# Altium PCB PCB.PcbDoc (part 2 of 2)
Units mil, origin at the board's own origin, x right, y up, seen from the top; angles counter-clockwise.
Board outline 1968.5 x 2500 mil, 2 copper layers (Top Layer, Bottom Layer), stack 59.418 mil thick; 109 components, 50 nets, 304 pads, 56 vias.
Unrouted connection lines stored in the file: 3.
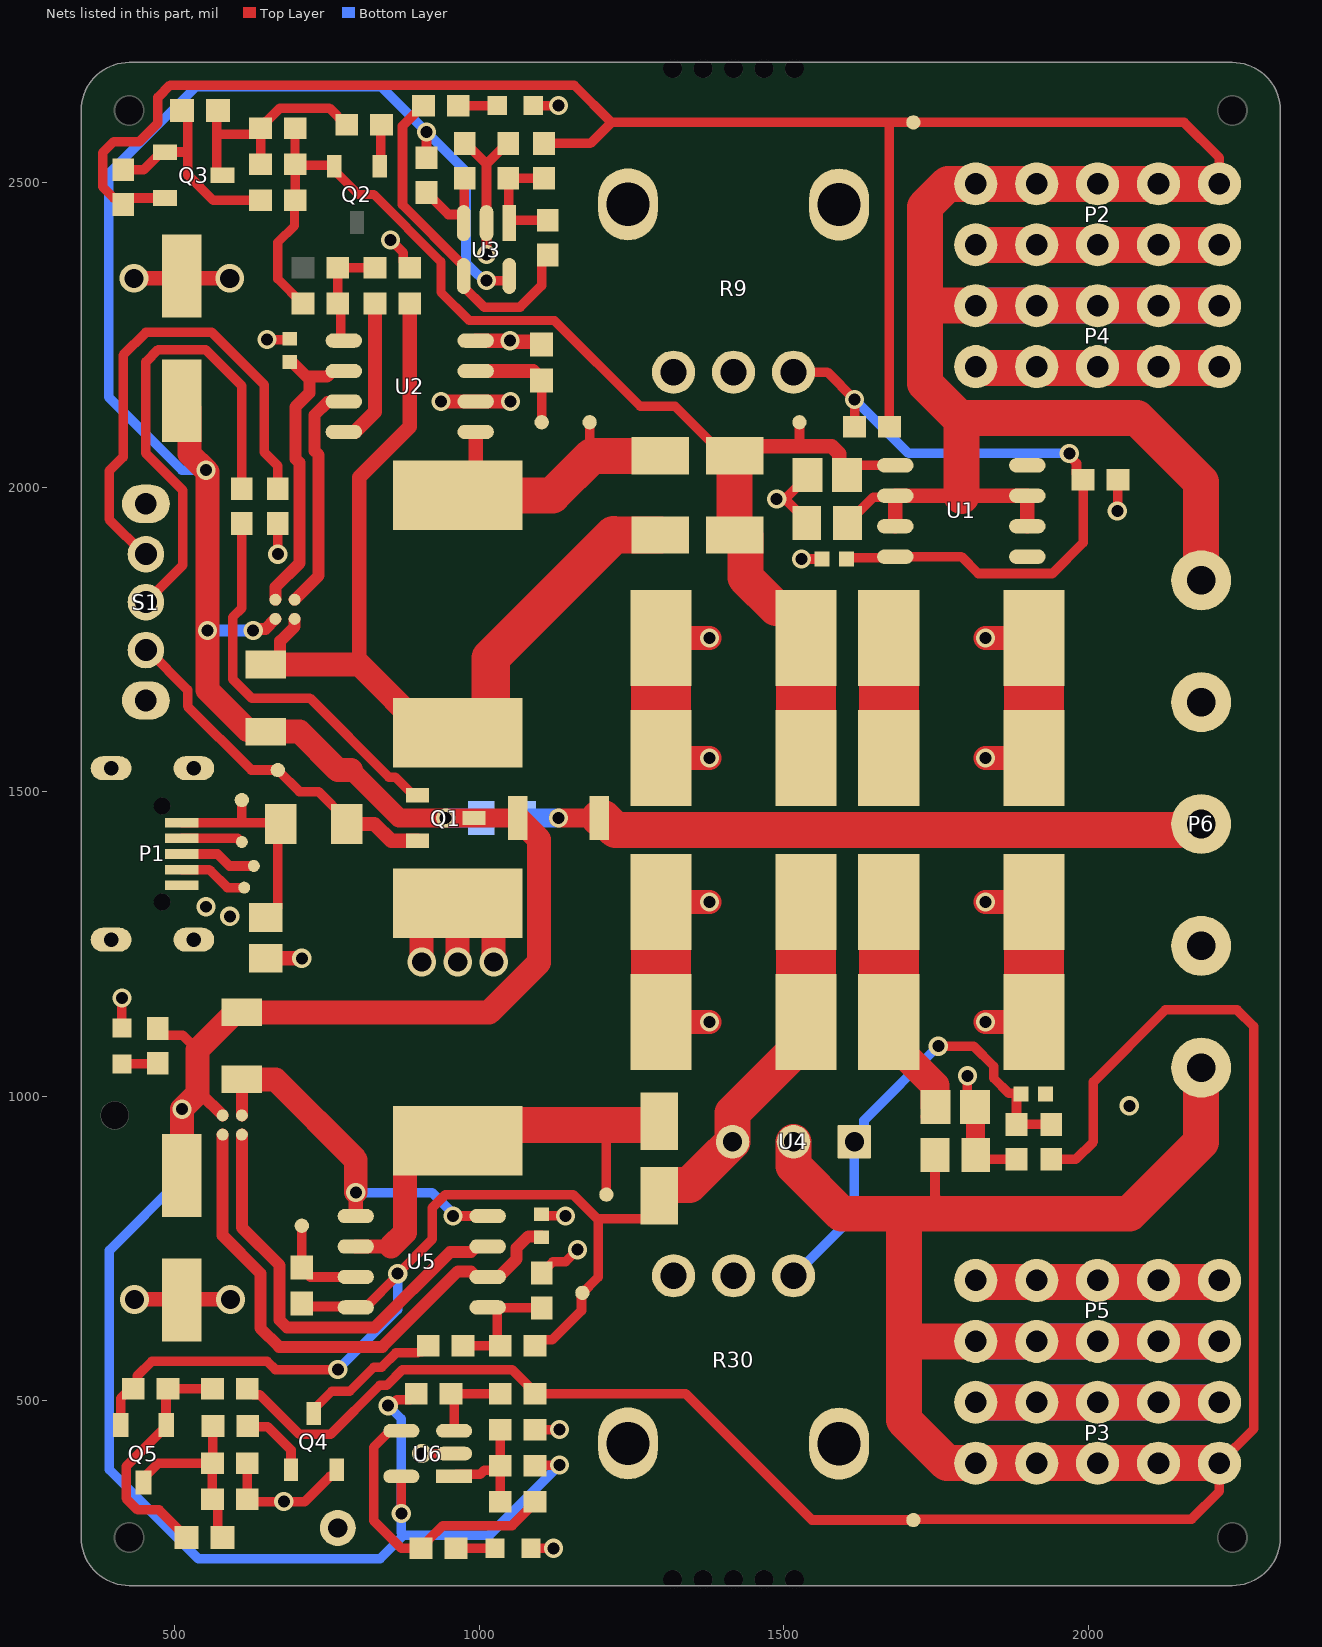
[diagram p2: the nets of this part, all layers, seen from the top]

## Via types
v1: diameter 31.5, hole 19.68, Top Layer to Bottom Layer, tented both sides, 49 vias
v2: diameter 47.24, hole 31.5, Top Layer to Bottom Layer, tented both sides, 7 vias

## Nets (pads, with @x,y where several pads share a name; then routed paths per layer and width w, separated by ;. In a path a pad name is that pad's centre, name@x,y a point inside that pad or via, vN(x,y) a via of type N, cw(c..) or ccw(c..) an arc to the next point about the centre after c; other vN are vias at no path point) (continued)
GND: C1.2 C2.2 C3.2 C4.2 C5.2 C6.2 C8.2 C9.2 C11.2 C12.2 C13.2 C14.2 C15.2 C16.2 C17.2 C19.2 C20.1 C22.1 C23.1 C24.1 C25.1 DS1.K DS2.K DS3.K L2.1 P1.5 P2.2 P2.4 P2.6 P2.8 P2.10 P3.2 P3.4 P3.6 P3.8 P3.10 P4.2 P4.4 P4.6 P4.8 P4.10 P5.2 P5.4 P5.6 P5.8 P5.10 P6.2 P6.4 Q4.2 R4.1 R9.1 R9.2 R9.4 R9.5 R12.2 R13.2 R14.2 R20.1 R28.2 R30.2 R30.3 R30.4 R30.5 R31.2 R34.1 R36.2 S1.EH TP11.1 U2.2 U2.4 U3.2 U6.2 | length 6983.9
  Top Layer w15.75: DS1.K@413.39,1112.2 v1(413.39,1161.42) ; R34.1@619.09,338.58 623.03,334.65 713.58,334.65 754.92,375.98 761.81,375.98 765.75,379.92 Q4.2@765.75,386.81 ; C20.1@619.09,397.64 619.09,348.43 R34.1@624.02,343.5 ; v1(651.75,2241.95) 651.86,2241.84 688.87,2241.84 C8.2@688.98,2241.73 ; v1(669.29,1889.76) R4.1@669.29,1939.96 ; v1(854.33,2405.51) 875.21,2384.63 875.21,2370.08 885.05,2360.24 R20.1@885.83,2360.24 ; v1(905.51,413.39) U6.2@958.68,413.39 ; R13.2@976.38,2563.98 976.38,2562.99 986.22,2553.15 988.81,2553.15 1011.81,2530.15 ; v1(1011.81,2381.81) U3.2@1011.81,2433.09 1011.81,2530.15 ; R12.2@1047.24,2563.98 1047.24,2562.99 1037.4,2553.15 1034.82,2553.15 1011.81,2530.15 ; DS3.K@1084.65,257.87 v1(1122.05,257.87) ; DS2.K@1084.65,2625.98 v1(1129.92,2625.98) ; R28.2@1091.54,452.76 v1(1131.89,452.76) ; R36.2@1102.36,709.65 1102.36,710.63 1112.2,720.47 1113.19,720.47 1121.06,728.35 1141.73,728.35 v1(1161.42,748.03) ; C17.2@1102.36,804.72 1103.05,804.04 1141.04,804.04 v1(1141.73,803.35) ; v1(1528.74,1881.89) C6.2@1563.39,1881.89 ; C5.2@1537.4,1937.01 C5.2@1537.4,1940.94 1537.4,1944.88 1504.98,1977.3 1491.2,1977.3 v1(1488.19,1980.32) 1491.2,1983.33 1504.98,1983.33 1538.39,2016.73 C4.2@1538.39,2019.69 ; v1(1801.18,1033.46) 1801.18,995.08 C16.2@1813.98,982.28 C16.2@1814.47,981.79 ; C15.2@1814.96,903.54 1814.96,899.61 1817.91,896.65 R31.2@1881.89,896.65 ; v1(2047.24,1960.63) 2047.74,1961.12 2047.74,2011.32 R14.2@2048.23,2011.81
  Top Layer w23.62: v2(433.07,2342.52) 509.5,2342.52 C3.2@511.86,2340.16 ; v2(434.2,666.54) C2.2@510.63,666.54 ; C3.2@511.81,2346.46 515.75,2342.52 v2(590.55,2342.52) ; C2.2@516.88,666.54 v2(591.68,666.54) ; C1.2@649.61,1226.38 v1(708.66,1226.38) ; v1(937.01,2140.35) U2.2@994.09,2140.35 v1(1051.18,2140.35) ; U2.4@994.09,2240.35 1050,2240.35 1051.7,2238.65 1097.96,2238.65 C9.2@1102.36,2234.25
  Top Layer w31.5: C16.2@1814.47,981.79 1814.47,904.04 C15.2@1814.96,903.54
  Top Layer w39.37: v2(905.51,1220.47) 905.51,1279.53 942.91,1316.93 L2.1@964.57,1316.93 ; v2(964.57,1220.47) L2.1@964.57,1316.93 ; v2(1023.62,1220.47) 1023.62,1279.53 986.22,1316.93 L2.1@964.57,1316.93 ; C25.1@1298.23,1122.05 v1(1377.95,1122.05) ; C24.1@1298.23,1318.9 v1(1377.95,1318.9) ; C11.2@1298.23,1555.12 v1(1377.95,1555.12) ; C12.2@1298.23,1751.97 v1(1377.95,1751.97) ; v1(1830.71,1122.05) C22.1@1910.43,1122.05 ; v1(1830.71,1318.9) C23.1@1910.43,1318.9 ; v1(1830.71,1555.12) C14.2@1910.43,1555.12 ; v1(1830.71,1751.97) C13.2@1910.43,1751.97
  Top Layer w59.06: P3.10@1814.96,497.64 P3.8@1914.96,497.64 P3.6@2014.96,497.64 P3.4@2114.96,497.64 P3.2@2214.96,497.64 ; P5.10@1814.96,695.27 1914.96,695.27 2014.96,695.27 2114.96,695.27 P5.2@2214.96,695.27 ; P4.2@1814.96,2195.27 1914.96,2195.27 2014.96,2195.27 2114.96,2195.27 P4.10@2214.96,2195.27 ; P2.2@1814.96,2397.64 P2.10@2214.96,2397.64
  Top Layer w98.43: C25.1@1298.23,1122.05 C24.1@1298.23,1318.9 ; C11.2@1298.23,1555.12 C12.2@1298.23,1751.97 ; C22.1@1910.43,1122.05 C23.1@1910.43,1318.9 ; C14.2@1910.43,1555.12 C13.2@1910.43,1751.97
  Bottom Layer w59.06: P3.10@1814.96,497.64 P3.8@1914.96,497.64 P3.6@2014.96,497.64 P3.4@2114.96,497.64 P3.2@2214.96,497.64 ; P5.10@1814.96,695.27 1914.96,695.27 2014.96,695.27 2114.96,695.27 P5.2@2214.96,695.27 ; P4.2@1814.96,2195.27 1914.96,2195.27 2014.96,2195.27 2114.96,2195.27 P4.10@2214.96,2195.27 ; P2.2@1814.96,2397.64 P2.4@1914.96,2397.64 P2.6@2014.96,2397.64 P2.8@2114.96,2397.64 P2.10@2214.96,2397.64
  other v1: 679.13,334.65 2066.93,984.25 590.55,1295.28 551.18,1311.02 1050.2,2240.16
INV_FB_S0: R35.1 R36.1 R37.2 U5.5 | length 213.5
  Top Layer w15.75: R37.2@973.43,590.55 R35.1@1034.45,590.55 1029.48,595.52 1029.48,651.45 1027.58,653.35 U5.5@1013.78,653.35 ; U5.5@1029.48,652.95 1101.97,652.95 R36.1@1102.36,652.56
INV_VF_FB: Q4.3 R37.1 | length 231.2
  Top Layer w15.75: Q4.3@728.35,486.22 757.87,515.75 787.4,515.75 826.77,555.12 839.6,555.12 863.22,578.74 899.17,578.74 901.14,580.71 906.5,580.71 R37.1@916.34,590.55
LM317_NC_1: U1.5
LM317_NC_2: U1.8
N1V25_NREG_ADJ: C19.1 R23.2 R30.1 R31.1 U4.1 | length 765.6
  Top Layer w15.75: v1(1753.41,1082.15) 1811.55,1082.15 1844.49,1049.21 1844.49,1029.53 1869.38,1004.64 1885.04,1004.64 1885.74,1003.94 C19.1@1889.37,1003.94 1881.89,996.46 R31.1@1881.89,953.74 R23.2@1938.98,953.74
  Bottom Layer w15.75: R30.1@1515.75,705.24 1615.75,805.24 U4.1@1615.75,925.2 1631.45,940.9 1631.45,960.19 v1(1753.41,1082.15)
NetC7_2: C7.2 C10.2 Q3.3 R16.2 R18.1 | length 418.8
  Top Layer w15.75: C10.2@570.87,2618.11 568.9,2616.14 568.9,2576.77 ; Q3.3@578.74,2511.81 573.82,2511.81 568.9,2516.73 568.9,2576.77 ; R16.2@640.75,2529.53 641.24,2530.02 641.24,2588.09 651.57,2598.43 651.57,2601.01 672.61,2622.05 753.94,2622.05 781.5,2594.49 R18.1@782.48,2594.49 ; C7.2@641.73,2588.58 631.89,2578.74 570.87,2578.74 568.9,2576.77
NetC9_1: C9.1 TP6.1 U2.3 | length 184
  Top Layer w15.75: TP6.1@1102.36,2106.3 C9.1@1102.36,2175.2
  Top Layer w23.62: U2.3@994.09,2190.35 1088.19,2190.35 1102.36,2176.18 C9.1@1102.36,2175.2
NetC10_1: C10.1 Q3.1 R15.2 R22.1 | length 364.8
  Top Layer w15.75: R22.1@415.35,2520.67 448.82,2520.67 477.36,2549.21 Q3.1@484.25,2549.21 484.98,2549.94 521.65,2549.94 ; C10.1@511.81,2618.11 521.65,2608.27 521.65,2549.94 ; R15.2@640.75,2470.47 563.36,2470.47 521.65,2512.18 521.65,2549.94
NetC18_1: C18.1 TP10.1 U5.3 | length 164.3
  Top Layer w15.75: TP10.1@708.66,787.4 C18.1@708.66,718.5 708.66,717.52 722.83,703.35 U5.3@797.24,703.35
NetC20_2: C20.2 C21.2 Q5.3 R34.2 R38.1 | length 320.7
  Top Layer w15.75: Q5.3@448.82,366.14 448.82,373.03 473.43,397.64 C20.2@562.01,397.64 ; R38.1@562.99,458.66 562.5,458.17 562.5,398.13 C20.2@562.01,397.64 ; C21.2@578.74,275.59 570.87,283.46 570.87,329.72 R34.2@562.01,338.58 C20.2@562.01,397.64
NetC21_1: C21.1 Q5.1 R33.2 R39.1 | length 413.6
  Top Layer w15.75: C21.1@519.68,275.59 518.7,275.59 507.87,286.42 507.87,287.4 474.25,321.02 439.19,321.02 420.28,339.93 420.28,392.35 476.74,448.82 481.3,448.82 486.22,453.74 Q5.1@486.22,460.63 485.73,461.12 485.73,519.19 485.24,519.68 R33.2@562.01,519.68
NetDS1_A: DS1.A R2.2 | length 59.5
  Top Layer w15.75: DS1.A@413.39,1053.15 471.46,1053.15 R2.2@472.44,1054.13
NetDS2_A: DS2.A R11.1 | length 60
  Top Layer w15.75: R11.1@965.55,2625.98 DS2.A@1025.59,2625.98
NetDS3_A: DS3.A R29.2 | length 64
  Top Layer w15.75: R29.2@961.61,257.87 DS3.A@1025.59,257.87
NetQ2_1: Q2.1 R18.2 | length 69.1
  Top Layer w15.75: Q2.1@836.61,2526.57 838.09,2528.05 838.09,2593.01 R18.2@839.57,2594.49
NetQ4_1: Q4.1 R38.2 | length 119.7
  Top Layer w15.75: R38.2@620.08,458.66 621.06,457.68 652.56,457.68 690.94,419.29 Q4.1@690.94,386.81
NetR4_2: R4.2 S1.1 | length 825.9
  Top Layer w15.75: S1.1@452.76,1889.76 449.57,1889.76 392.52,1946.81 392.52,2026.38 415.35,2049.21 415.35,2216.54 452.76,2253.94 561.02,2253.94 647.18,2167.78 647.18,2056.92 669.29,2034.8 R4.2@669.29,1997.05
NetR6_2: R6.2 R12.1 R17.1 U3.1 | length 199.6
  Top Layer w15.75: R6.2@1106.3,2506.89 R12.1@1047.24,2506.89 1048.23,2505.91 1048.23,2434.07 U3.1@1049.21,2433.09 1049.21,2434.6 1052.6,2437.99 R17.1@1112.2,2437.99
NetR7_2: R7.2 R13.1 U3.3 | length 153.8
  Top Layer w15.75: R7.2@913.39,2483.27 913.39,2482.28 923.23,2472.44 924.21,2472.44 949.37,2447.29 971.28,2447.29 U3.3@975.39,2443.17 ; U3.3@974.41,2433.09 975.39,2434.07 U3.3@975.39,2443.17 ; R13.1@976.38,2506.89 975.39,2505.91 U3.3@975.39,2443.17
NetR11_2: R11.2 R17.2 U3.4 | length 564.5
  Top Layer w15.75: R11.2@908.46,2625.98 907.48,2625.98 874.02,2592.52 874.02,2463.37 974.41,2362.97 974.41,2328.74 1007.87,2295.28 1067.05,2295.28 1102.36,2330.59 1102.36,2371.06 R17.2@1112.2,2380.91
NetR24_2: R24.2 R27.1 U6.3 | length 143.8
  Top Layer w15.75: U6.3@958.68,450.79 958.68,506.87 R24.2@953.74,511.81 R27.1@1034.45,511.81
NetR25_2: R25.2 R28.1 R32.1 U6.1 | length 201.2
  Top Layer w15.75: U6.1@958.68,375.98 962.07,379.37 1001.42,379.37 1008.31,386.26 1027.01,386.26 R25.2@1034.45,393.7 ; R32.1@1034.45,334.65 1034.45,375.98 R25.2@1034.45,393.7 ; R28.1@1034.45,452.76 R25.2@1034.45,393.7
NetR29_1: R29.1 R32.2 U6.4 | length 494.6
  Top Layer w15.75: U6.4@872.03,450.79 869.81,448.57 851.45,448.57 826.65,423.78 826.65,303.27 872.05,257.87 R29.1@904.53,257.87 ; R29.1@905.51,257.87 915.35,267.72 915.35,270.3 940.33,295.28 1053.77,295.28 1080.71,322.22 1080.71,324.8 1090.55,334.65 R32.2@1091.54,334.65
P1V25_PREG_ADJ: C6.1 R5.2 R9.3 R14.1 U1.4 | length 1132.3
  Top Layer w15.75: R9.3@1515.75,2188.46 1571.38,2188.46 v1(1616.14,2143.7) R5.2@1616.14,2099.21 ; C6.1@1601.97,1881.89 1604.2,1884.12 1681.56,1884.12 1683.17,1885.73 1744,1885.73 1744.09,1885.83 1791.34,1885.83 1819.09,1858.07 1940.75,1858.07 1991.14,1908.46 R14.1@1991.14,2011.81 1990.16,2011.81 1980.31,2021.65 1980.31,2039.05 1968.5,2050.86 v1(1968.5,2055.12)
  Bottom Layer w15.75: v1(1616.14,2143.7) 1704.72,2055.12 v1(1968.5,2055.12)
P1V25_S0_BOOST_FB: R19.1 R20.2 R21.1 U2.5 | length 185.5
  Top Layer w15: R19.1@767.72,2301.18 772.64,2296.26 772.64,2244.34 776.62,2240.35 U2.5@777.56,2240.35
  Top Layer w15.75: R19.1@767.72,2301.18 R21.1@767.72,2360.24 R20.2@828.74,2360.24
P5V0_S0_BOOSTVCC_N: U2.7 XW1.1 | length 379.3
  Top Layer w19.68: XW1.1@696.85,1814.96 736.38,1854.49 736.38,2052.93 729.92,2059.39 729.92,2118.5 751.02,2139.6 776.81,2139.6 U2.7@777.56,2140.35
P5V0_S0_BOOSTVCC_P: C8.1 U2.6 XW2.1 | length 480.7
  Top Layer w19.68: XW2.1@665.35,1814.96 665.35,1835.49 704.88,1875.02 704.88,2039.89 698.43,2046.35 698.43,2131.55 721.41,2154.53 721.41,2176.57 716.88,2181.1 ; C8.1@688.98,2205.31 690.35,2203.94 694.04,2203.94 716.88,2181.1 ; U2.6@759.24,2190.35 749.98,2181.1 716.88,2181.1
P5V0_S0_INVVCC_N: U5.7 XW3.1 | length 732.1
  Top Layer w19.68: XW3.1@610.24,937.01 610.24,784.44 672.24,722.43 672.24,632.43 684.59,620.08 827.89,620.08 951.91,744.09 986.21,744.09 995.46,753.35 U5.7@1013.78,753.35
P5V0_S0_INVVCC_P: C17.1 U5.6 XW4.1 | length 911.1
  Top Layer w19.68: XW4.1@578.74,937.01 578.74,771.39 640.75,709.38 640.75,619.38 671.54,588.58 840.94,588.58 964.95,712.6 986.21,712.6 995.46,703.35 1031.89,703.35 1061.42,732.87 1061.42,750.98 1080.51,770.08 C17.1@1102.36,770.08
P5V0_S0H_BOOST: D2.2 L1.1 R8.1 R10.1 XW1.2 | length 1602.3
  Top Layer w19.68: R10.1@649.61,1708.66 660.43,1708.66 673.23,1721.46 673.23,1747.05 696.85,1770.67 XW1.2@696.85,1783.46
  Top Layer w23.62: 803.15,1708.66 803.15,2016.03 885.83,2098.7 R8.1@885.83,2301.18
  Top Layer w39.37: R10.1@660.43,1708.66 803.15,1708.66 915.35,1596.46 L1.1@964.57,1596.46 L1.1@992.98,1596.46
  Top Layer w61.02: 1220.47,1921.26 D2.2@1297.24,1921.26
  Top Layer w62.99: L1.1@992.98,1596.46 1018.57,1622.05 1018.57,1719.36 1220.47,1921.26
PBOOST_S0H_SW: D3.2 L1.2 TP3.1 U2.1 | length 532.7
  Top Layer w15.75: TP3.1@1181.1,2106.3 1181.1,2055.12 1185.04,2051.18
  Top Layer w23.62: L1.2@964.57,1986.22 994.09,2015.75 U2.1@994.09,2090.35
  Top Layer w59.06: L1.2@964.57,1986.22 1120.08,1986.22 1185.04,2051.18 D3.2@1297.24,2051.18
PDRIVE_S0_BOOST: R8.2 U2.8 | length 242.6
  Top Layer w23.62: U2.8@777.56,2090.35 795.67,2090.35 828.74,2123.43 R8.2@828.74,2301.18
PINV_S0H_SW: D5.1 L2.2 TP9.1 U5.2 | length 767.3
  Top Layer w15.75: TP9.1@1208.66,838.58 1208.66,950.79 1210.63,952.76
  Top Layer w23.62: U5.2@797.24,753.35 854.72,753.35
  Top Layer w39.37: 854.72,753.35 877.95,776.57 877.95,889.76 915.35,927.17 L2.2@964.57,927.17
  Top Layer w59.06: L2.2@964.57,927.17 990.16,952.76 1210.63,952.76 1294.29,952.76 1295.28,953.74 D5.1@1295.28,958.66
PN_VREG_S0H: C15.1 P3.1 P3.3 P3.5 P3.7 P3.9 P5.1 P5.3 P5.5 P5.7 P5.9 P6.5 R23.1 R27.2 R33.1 TP8.1 U4.2 | length 6290.5
  Top Layer w15.75: R33.1@619.09,519.68 628.94,509.84 639.76,509.84 704.72,444.88 755.91,444.88 836.62,525.6 848.43,525.6 874.02,551.18 1053.77,551.18 1080.71,524.24 1080.71,521.65 1090.55,511.81 1338.58,511.81 1546.07,304.32 TP8.1@1712.6,304.32 1714.1,305.83 2169.22,305.83 2214.96,351.57 P3.1@2214.96,397.64 2271.26,453.94 2271.26,1114.57 2244.09,1141.73 2125.98,1141.73 2007.87,1023.62 2007.87,925.2 1979.33,896.65 R23.1@1938.98,896.65 ; C15.1@1748.03,903.54 1748.03,834.45 1763.68,818.8
  Top Layer w59.06: U4.2@1515.75,925.2 1515.75,885.83 1594.49,807.09 1696.85,807.09 ; P6.5@2185.04,1046.85 2185.04,925.2 2066.93,807.09 1696.85,807.09 ; P3.1@2214.96,397.64 P3.3@2114.96,397.64 P3.5@2014.96,397.64 P3.7@1914.96,397.64 P3.9@1814.96,397.64 1767.72,397.64 1696.85,468.5 1696.85,597.64 ; P5.1@2214.96,597.64 P5.3@2114.96,597.64 P5.5@2014.96,597.64 P5.7@1914.96,597.64 P5.9@1814.96,597.64 1696.85,597.64 ; 1696.85,597.64 1696.85,807.09
  Bottom Layer w59.06: P3.9@1814.96,397.64 P3.7@1914.96,397.64 P3.5@2014.96,397.64 P3.3@2114.96,397.64 P3.1@2214.96,397.64 ; P5.9@1814.96,597.64 P5.7@1914.96,597.64 P5.5@2014.96,597.64 P5.3@2114.96,597.64 P5.1@2214.96,597.64
PN_VTRACK_S0H: C16.1 C18.2 C22.2 C23.2 C24.2 C25.2 D5.2 Q5.2 R35.2 R39.2 TP7.1 U4.3 U5.4 | length 2636.4
  Top Layer w15.75: Q5.2@411.42,460.63 411.42,503.94 427.17,519.68 429.13,519.68 438.98,529.53 438.98,541.34 462.6,564.96 651.57,564.96 665.35,551.18 v1(767.72,551.18) ; C18.2@708.66,659.45 713.26,654.85 795.74,654.85 U5.4@797.24,653.35 813.22,653.35 866.14,706.26 v1(866.14,708.66) 923.07,765.59 923.07,817.27 944.38,838.58 1154.04,838.58 1193.41,799.21 1195.04,799.21 ; R35.2@1091.54,590.55 1101.38,600.39 1120.08,600.39 1167.78,648.1 1167.78,675.66 1195.04,702.91 1195.04,799.21 ; D5.2@1295.28,836.61 1295.28,821.85 1272.64,799.21 1195.04,799.21
  Top Layer w23.62: C16.1@1736.22,966.54 1749.02,979.33 C16.1@1749.02,982.28
  Top Layer w47.24: C22.2@1672.24,1122.05 1672.24,1093.5 1748.03,1017.72 1748.03,983.27 C16.1@1749.02,982.28
  Top Layer w59.06: D5.2@1295.28,836.61 1295.28,853.35 1296.26,854.33 1344.88,854.33 1380.31,889.76 U4.3@1415.75,925.2 1415.75,972.83 1536.42,1093.5 C25.2@1536.42,1122.05
  Top Layer w98.43: C25.2@1536.42,1122.05 C24.2@1536.42,1318.9 ; C22.2@1672.24,1122.05 C23.2@1672.24,1318.9
  Bottom Layer w15.75: v1(767.72,551.18) 866.14,649.61 v1(866.14,708.66)
PP5V0_G3H_FUSE: F1.2 Q1.2 S1.3 TP2.1 | length 595.7
  Top Layer w15.75: S1.3@452.76,1732.28 455.94,1732.28 521.35,1666.87 521.35,1640.07 625.98,1535.43 TP2.1@669.29,1535.43 ; TP2.1@669.67,1535.05 704.72,1500 736.22,1500 780.85,1455.37 F1.2@780.85,1446.85
  Top Layer w23.62: F1.2@780.85,1446.85 827.85,1446.85 855.41,1419.29 Q1.2@898.62,1419.29
PP5V0_G3H_USB: C1.1 F1.1 P1.1 TP1.1 | length 369
  Top Layer w15.75: P1.1@511.81,1448.82 610.24,1448.82 ; TP1.1@610.24,1486.22 610.24,1448.82 ; C1.1@649.61,1293.31 653.54,1293.31 669.29,1309.06 669.29,1440.3 675.85,1446.85 673.88,1448.82 610.24,1448.82
PP5V0_S0H: C2.1 C3.1 F2.1 Q1.3 R1.1 R2.1 R7.1 R10.2 R24.1 R25.1 R26.2 U3.5 U6.5 XW2.2 XW4.2 | length 5935.9
  Top Layer w15.75: R2.1@472.44,1111.22 472.44,1110.24 482.28,1100.39 512.8,1100.39 537.4,1075.79 ; XW4.2@577.67,968.5 XW4.2@578.74,968.5 ; R26.2@608.76,1136.32 R26.2@610.24,1137.8 ; v1(850.55,491.97) 854.77,491.97 864.76,501.97 886.81,501.97 R24.1@896.65,511.81 ; v1(872.03,314.96) U6.5@872.03,375.98 ; R7.1@913.39,2540.35 v1(913.39,2582.68) ; v1(1011.96,2338.74) 1046.08,2338.74 1049.21,2341.87 U3.5@1049.21,2346.44 ; R25.1@1091.54,393.7 1092,394.16 1131.43,394.16 v1(1131.89,394.62)
  Top Layer w19.68: 537.4,1004.33 542.91,1004.33 XW4.2@578.74,968.5 ; v1(628.86,1764.54) 631.12,1766.8 648.69,1766.8 XW2.2@665.35,1783.46
  Top Layer w31.5: 789.8,1535.43 868.54,1456.69 v1(944.88,1456.69) Q1.3@991.14,1456.69 F2.1@1063.19,1456.69
  Top Layer w39.37: C2.1@511.81,870.08 v1(511.81,978.74) 537.4,1004.33 537.4,1075.79 597.93,1136.32 R26.2@608.76,1136.32 ; C3.1@511.81,2141.73 524.61,2128.94 524.61,2054.13 v1(551.18,2027.56) 553.91,2024.83 v1(553.91,1764.54) 553.91,1667.03 619.56,1601.38 646.65,1601.38 R10.2@649.61,1598.43 704.73,1598.43 767.72,1535.43 789.8,1535.43 ; R26.2@610.24,1137.8 1016.33,1137.8 1098.42,1219.89 1098.42,1421.46 F2.1@1063.19,1456.69
  Bottom Layer w15.75: v1(511.81,978.74) 511.81,866.14 392.7,747.03 392.7,386.82 500,279.53 538.58,240.94 837.4,240.94 875.98,279.53 ; v1(551.18,2027.56) 511.81,2027.56 391.57,2147.8 391.57,2513.62 535.43,2657.48 838.58,2657.48 978.19,2517.87 978.19,2367.88 997.88,2348.18 998.25,2348.18 1007.7,2338.74 v1(1011.96,2338.74) ; v1(850.55,491.97) 871.89,470.63 871.89,315.1 v1(872.03,314.96) 872.03,283.48 875.98,279.53 ; v1(1131.89,394.62) 1016.8,279.53 875.98,279.53
  Bottom Layer w19.68: v1(553.91,1764.54) v1(628.86,1764.54)
  Bottom Layer w31.5: v1(944.88,1456.69) R1.1@1002.95,1456.69
PP5V0_S0H_CONN: F2.2 P6.3 R1.2 | length 1125.4
  Top Layer w31.5: v1(1129.92,1456.69) F2.2@1196.65,1456.69
  Top Layer w59.06: F2.2@1196.65,1456.69 1203.54,1456.69 1223.23,1437.01 1370.08,1437.01 2147.36,1437.01 2149.67,1439.32 2177.51,1439.32 P6.3@2185.04,1446.85
  Bottom Layer w31.5: R1.2@1071.85,1456.69 v1(1129.92,1456.69)
PP5V0_S0H_INV: R26.1 U5.1 U5.8 XW3.2 | length 627.9
  Top Layer w15.75: v1(956.69,803.35) U5.8@1013.78,803.35
  Top Layer w19.68: XW3.2@610.24,968.5 R26.1@610.24,1027.56
  Top Layer w23.62: U5.1@797.24,803.35 v1(797.24,841.73) v1@797.24,842.72
  Top Layer w39.37: R26.1@610.24,1027.56 665.35,1027.56 797.24,895.67 v1@797.24,842.72
  Bottom Layer w15.75: v1(797.24,841.73) 922.44,841.73 956.69,807.48 v1(956.69,803.35)
PP_VREG_S0H: C5.1 P2.1 P2.3 P2.5 P2.7 P2.9 P4.1 P4.3 P4.5 P4.7 P4.9 P6.1 Q3.2 R5.1 R6.1 R22.2 TP5.1 U1.2 U1.3 U1.6 U1.7 | length 6093.3
  Top Layer w15.75: R22.2@415.35,2463.58 R22.2@415.35,2464.57 ; Q3.2@484.25,2474.41 425.2,2474.41 R22.2@415.35,2464.57 ; R6.1@1106.3,2563.98 1182.43,2563.98 1216.88,2598.43 ; C5.1@1604.33,1940.94 1604.33,1944.88 1620.08,1960.63 1624.02,1960.63 1646.44,1983.06 1656.82,1983.06 1657.89,1984.12 1681.56,1984.12 U1.2@1683.07,1985.63 ; R5.1@1673.23,2099.21 1673.23,2598.43 ; P2.9@2214.96,2497.64 2214.96,2540.51 2157.04,2598.43 TP5.1@1712.6,2598.43 1673.23,2598.43 ; R22.2@415.35,2464.57 405.51,2474.41 400.04,2474.41 381.89,2492.56 381.89,2548.78 400.04,2566.93 441.93,2566.93 472.44,2597.44 472.44,2639.4 492.65,2659.61 1143.85,2659.61 1144.01,2659.44 1155.86,2659.44 1216.88,2598.43 ; 1216.88,2598.43 1673.23,2598.43
  Top Layer w23.62: U1.3@1683.07,1935.63 U1.2@1683.07,1985.63 1791.34,1985.63 U1.7@1899.61,1985.63 U1.6@1899.61,1935.63
  Top Layer w59.06: 1791.34,1985.63 1791.34,2110.24 ; P2.3@1914.96,2497.64 1769.29,2497.64 1731.5,2459.84 1731.5,2297.64 ; P2.3@1915.45,2497.15 P2.5@2014.48,2497.15 ; P2.5@2014.96,2497.64 P2.9@2214.96,2497.64 ; P6.1@2185.04,1846.85 2185.04,2007.87 2079.53,2113.38 1791.34,2113.38 1791.34,2110.24 ; P4.9@2214.96,2297.64 P4.7@2114.96,2297.64 P4.5@2014.96,2297.64 P4.3@1914.96,2297.64 P4.1@1814.96,2297.64 1731.5,2297.64 ; 1731.5,2297.64 1731.5,2170.08 1791.34,2110.24
  Bottom Layer w59.06: P4.1@1814.96,2297.64 P4.3@1914.96,2297.64 P4.5@2014.96,2297.64 P4.7@2114.96,2297.64 P4.9@2214.96,2297.64 ; P2.1@1814.96,2497.64 P2.3@1914.96,2497.64 P2.5@2014.96,2497.64 P2.7@2114.96,2497.64 P2.9@2214.96,2497.64
PPVTRACK_S0H: C4.1 C7.1 C11.1 C12.1 C13.1 C14.1 D2.1 D3.1 Q2.2 R15.1 R16.1 R19.2 TP4.1 U1.1 | length 2384.1
  Top Layer w15: C7.1@696.85,2588.58 C7.1@707.07,2578.37 ; C7.1@697.34,2588.09 697.34,2530.02 R16.1@697.83,2529.53 ; R19.2@710.63,2301.18 709.65,2301.18 669.29,2341.54 669.29,2401.57 696.85,2429.13 696.85,2469.49 R15.1@697.83,2470.47 R16.1@697.83,2529.53 ; D3.1@1419.29,2051.18 1402.56,2051.18 1321.2,2132.54 1264.2,2132.54 1123.34,2273.41 983.53,2273.41 937.01,2319.93 937.01,2369.85 826.55,2480.32 801.56,2480.32 761.81,2520.06 Q2.2@761.81,2526.57 760.33,2528.05 699.31,2528.05 R16.1@697.83,2529.53
  Top Layer w15.75: 1525.59,2066.93 TP4.1@1525.59,2106.3 ; C4.1@1603.35,2019.69 1619.29,2035.63 U1.1@1683.07,2035.63
  Top Layer w23.62: D3.1@1419.29,2051.18 1435.04,2066.93 1525.59,2066.93 1578.74,2066.93 1590.82,2054.85 1590.82,2032.21 C4.1@1603.35,2019.69
  Top Layer w59.06: D2.1@1419.29,1921.26 D3.1@1419.29,2051.18 ; D2.1@1436.02,1921.26 1437.01,1920.28 1437.01,1851.38 1487.2,1801.18 1515.75,1801.18 1536.42,1780.51 C12.1@1536.42,1751.97
  Top Layer w98.43: C11.1@1536.42,1555.12 C12.1@1536.42,1751.97 ; C14.1@1672.24,1555.12 C13.1@1672.24,1751.97
SW_G: Q1.1 R3.2 | length 643.8
  Top Layer w15.75: R3.2@610.24,1939.96 610.24,1801.18 595.24,1786.19 595.24,1684.65 626.35,1653.54 721.82,1653.54 851.74,1523.62 862.2,1523.62 891.73,1494.09 Q1.1@898.62,1494.09
SW_T: R3.1 S1.2 | length 803.5
  Top Layer w15.75: S1.2@452.76,1811.02 512.99,1871.26 512.99,1994.88 452.76,2055.12 452.76,2205.34 472.81,2225.39 550.81,2225.39 610.24,2165.97 R3.1@610.24,1997.05
USB_DN: P1.2 pad.@610.24,1417.32 | length 100.9
  Top Layer w15.75: P1.2@511.81,1423.23 603.26,1423.23 609.17,1417.32 pad.@610.24,1417.32
USB_DP: P1.3 pad.@629.92,1377.95 | length 126.3
  Top Layer w15.75: P1.3@511.81,1397.64 570.33,1397.64 590.02,1377.95 pad.@629.92,1377.95
USB_ID: P1.4 pad.@614.17,1342.52 | length 111.6
  Top Layer w15.75: P1.4@511.81,1372.05 556.9,1372.05 ; 559.06,1370.08 586.61,1342.52 pad.@614.17,1342.52
USB_SHIELD: P1.6
pads on no net: H1. H2. P1.

## Polygon pours and split planes (outlines as drawn)
PN_VTRACK_S0H on Top Layer "NoTR" (solid, pour order 1): 1566.93,1389.76 1637.8,1389.76 1637.8,1051.18 1566.93,1051.18
GND on Top Layer "NoTR" (solid, pour order 6): 484.25,1354.33 574.8,1354.33 614.17,1314.96 614.17,1271.65 551.18,1271.65 484.25,1338.58
PPVTRACK_S0H on Top Layer "NoTR" (solid, pour order 0): 1566.93,1822.83 1637.8,1822.83 1637.8,1484.25 1566.93,1484.25
GND on Bottom Layer "Bottom GND" (solid, remove dead copper, pour order 2): 346.46,196.85 346.46,2696.85 2314.96,2696.85 2314.96,196.85

## Other copper
Top Layer:
  pour cut-out: 1960.63,1830.71 1960.63,1043.31 1976.38,1043.31 1976.38,1830.71
Bottom Layer:
  pour cut-out: 1286.6,212.91 cw(c1311.79,212.91) 1311.79,238.1 1522.86,238.1 cw(c1522.86,212.91) 1548.05,212.91
  pour cut-out: 1286.6,2680.79 ccw(c1311.79,2680.79) 1311.79,2655.6 1522.86,2655.6 ccw(c1522.86,2680.79) 1548.05,2680.79

## Silkscreen, mask and mechanical layers (free items; w line width, h text height)
Top Overlay:
  lines w7.87: 551.18,1870.08 570.87,1889.76 ; 570.87,1791.34 570.87,1889.76 ; 590.55,1870.08 570.87,1889.76
  text "VPP" at 1899.76,2569.06 h60
  text "P" at 1702.91,2470.63 h60
  text "G" at 1702.91,2372.2 h60
  text "P" at 1702.91,2264.72 h60
  text "G" at 1702.91,2166.3 h60
  text "ON" at 596.55,1844.39 h36 r270
  text "G" at 1702.91,663.35 h60
  text "N" at 1702.91,564.92 h60
  text "G" at 1702.91,462.76 h60
  text "N" at 1702.91,364.33 h60
  text "VNN" at 1899.76,246.22 h60
Bottom Overlay:
  drawing of 111 lines, arcs and shapes, not listed
  text "SOLDER 1 ONLY" at 2157.35,2586.74 h48
  text "USB SPLIT RAIL PSU" at 964.25,2539.05 h120 r90
  text "LD STANTON" at 1151.42,2371.89 h60 r90
  text "SIO2MKR" at 798.74,2194.41 h180 r90
  text "GITHUB.COM/LAWRENCESTANTON/" at 1271.53,2078.61 h48 r90
  text "V USB" at 1527.43,1960.5 h48 r90
  text "P USB" at 1606.17,1960.5 h48 r90
  text "V REG" at 1684.91,1960.5 h48 r90
  text "I REG" at 1763.65,1960.5 h48 r90
  text "I (5V)" at 1842.39,1960.5 h48 r90
  text "VPP" at 2067,1917 h48 r90
  text "SPECIFICATIONS" at 1369.95,1724.28 h48 r90
  text "(C) UCT 2021" at 1960.5,1716.93 h48 r90
  text "GND" at 2078.61,1704.6 h48 r90
  text "4V6" at 1527.43,1645.54 h48 r90
  text "5W" at 1606.17,1645.54 h48 r90
  text "1V2" at 1684.91,1645.54 h48 r90
  text "MIN" at 1448.69,1625.86 h48 r90
  text "5V" at 2078.61,1488.06 h48 r90
  text "5V0" at 1527.43,1409.32 h48 r90
  text "TYP" at 1448.69,1369.95 h48 r90
  text "GND" at 2078.61,1310.9 h48 r90
  text "NOVEMBER 2021" at 1151.42,1281.26 h60 r90
  text "10V5" at 1684.91,1133.73 h48 r90
  text "40mA" at 1763.65,1133.73 h48 r90
  text "0A46" at 1842.39,1133.73 h48 r90
  text "5V6" at 1542,1131.37 h48 r90
  text "MAX" at 1468.38,1094.36 h48 r90
  text "VNN" at 2078.61,1094.36 h48 r90
  text "e" at 636.61,945.95 h300 r90
  text "'.Project_Revision'" at 787.09,865.83 h120 r90
  text "o" at 771.34,590.33 h500 r90
  text "SOLDER 1 ONLY" at 1582.8,306.96 h48 r180
Mechanical 1:
  the board outline again, w3.94
Drill Drawing:
  drawing of 217 lines, arcs and shapes, not listed
  text "Layer" at 2695.61,4005.58 h60
  text "Name" at 3105.52,4005.58 h60
  text "Material" at 4435.14,4005.58 h60
  text "Thickness" at 5094.97,4005.58 h60
  text "Constant" at 5744.81,4005.58 h60
  text "Top Overlay" at 3105.52,3885.58 h60
  text "Top Solder" at 3105.52,3765.58 h60
  text "SM-001" at 4435.14,3765.58 h60
  text "0,025mm" at 5094.97,3765.58 h60
  text "4" at 5744.81,3765.58 h60
  text "Top Surface Finish" at 3105.52,3645.58 h60
  text "Lead-Free" at 4435.14,3645.58 h60
  text "0,020mm" at 5094.97,3645.58 h60
  text "1" at 2695.61,3525.58 h60
  text "Top Layer" at 3105.52,3525.58 h60
  text "CF-004" at 4435.14,3525.58 h60
  text "0,035mm" at 5094.97,3525.58 h60
  text "Dielectric 1" at 3105.52,3405.58 h60
  text "FR-4" at 4435.14,3405.58 h60
  text "1,439mm" at 5094.97,3405.58 h60
  text "4.5" at 5744.81,3405.58 h60
  text "2" at 2695.61,3285.58 h60
  text "Bottom Layer" at 3105.52,3285.58 h60
  text "CF-004" at 4435.14,3285.58 h60
  text "0,035mm" at 5094.97,3285.58 h60
  text "Bottom Surface Finish" at 3105.52,3165.58 h60
  text "Lead-Free" at 4435.14,3165.58 h60
  text "0,020mm" at 5094.97,3165.58 h60
  text "Bottom Solder" at 3105.52,3045.58 h60
  text "SM-001" at 4435.14,3045.58 h60
  text "0,025mm" at 5094.97,3045.58 h60
  text "4" at 5744.81,3045.58 h60
  text "Bottom Overlay" at 3105.52,2925.58 h60
  text "[MM]" at 65.06,2919.39 h60
  text "Total board thickness:" at 2695.61,2805.58 h60
  text "1,600mm" at 5094.97,2805.58 h60
  text "Symbol" at 2693.1,2728.5 h72
  text "Count" at 3198.98,2728.5 h72
  text "Hole Size" at 3778.82,2728.5 h72
  text "Plated" at 4898.5,2728.5 h72
  text "Hole Type" at 5404.37,2728.5 h72
  text "Drill Layer Pair" at 6138.18,2728.5 h72
  text "Via/Pad" at 7637.73,2728.5 h72
  text "Pad Shape" at 8227.57,2728.5 h72
  text "Template" at 8973.37,2728.5 h72
  text "Hole Tolerance (+)" at 10732.84,2728.5 h72
  text "Hole Tolerance (-)" at 12066.45,2728.5 h72
  text "49" at 3198.98,2578.5 h60
  text "0,500mm (19,69mil)" at 3778.82,2578.5 h60
  text "PTH" at 4898.5,2578.5 h60
  text "Round" at 5404.37,2578.5 h60
  text "Top Layer - Bottom Layer" at 6138.18,2578.5 h60
  text "Via" at 7637.73,2578.5 h60
  text "Rounded" at 8227.57,2578.5 h60
  text "v80h50m0mx0(Tol13-8)" at 8973.37,2578.5 h60
  text "0,130mm (5,12mil)" at 10732.84,2578.5 h60
  text "0,080mm (3,15mil)" at 12066.45,2578.5 h60
  text "4" at 3198.98,2428.5 h60
  text "0,600mm (23,62mil)" at 3778.82,2428.5 h60
  text "PTH" at 4898.5,2428.5 h60
  text "Slot" at 5404.37,2428.5 h60
  text "Top Layer - Bottom Layer" at 6138.18,2428.5 h60
  text "Pad" at 7637.73,2428.5 h60
  text "Rounded" at 8227.57,2428.5 h60
  text "r100_170h60_130r100" at 8973.37,2428.5 h60
  text "B" at 2664.01,2418.51 h66.67
  text "2" at 3198.98,2278.5 h60
  text "0,700mm (27,56mil)" at 3778.82,2278.5 h60
  text "NPTH" at 4898.5,2278.5 h60
  text "Round" at 5404.37,2278.5 h60
  text "Top Layer - Bottom Layer" at 6138.18,2278.5 h60
  text "Pad" at 7637.73,2278.5 h60
  text "Rounded" at 8227.57,2278.5 h60
  text "c70hn70" at 8973.37,2278.5 h60
  text "A" at 2664.01,2268.51 h66.67
  text "10" at 3198.98,2128.5 h60
  text "0,787mm (31,00mil)" at 3778.82,2128.5 h60
  text "NPTH" at 4898.5,2128.5 h60
  text "Round" at 5404.37,2128.5 h60
  text "Top Layer - Bottom Layer" at 6138.18,2128.5 h60
  text "Pad" at 7637.73,2128.5 h60
  text "Rounded" at 8227.57,2128.5 h60
  text "c79hn79m94p94" at 8973.37,2128.5 h60
  text "3" at 3198.98,1978.5 h60
  text "0,800mm (31,50mil)" at 3778.82,1978.5 h60
  text "PTH" at 4898.5,1978.5 h60
  text "Round" at 5404.37,1978.5 h60
  text "Top Layer - Bottom Layer" at 6138.18,1978.5 h60
  text "Pad" at 7637.73,1978.5 h60
  text "(Mixed)" at 8227.57,1978.5 h60
  text "(Mixed)" at 8973.37,1978.5 h60
  text "8" at 3198.98,1828.5 h60
  text "0,800mm (31,50mil)" at 3778.82,1828.5 h60
  text "PTH" at 4898.5,1828.5 h60
  text "Round" at 5404.37,1828.5 h60
  text "Top Layer - Bottom Layer" at 6138.18,1828.5 h60
  text "(Mixed)" at 7637.73,1828.5 h60
  text "Rounded" at 8227.57,1828.5 h60
  text "(Mixed)" at 8973.37,1828.5 h60
  text "0,130mm (5,12mil)" at 10732.84,1828.5 h60
  text "0,080mm (3,15mil)" at 12066.45,1828.5 h60
  text "20" at 3198.98,1678.5 h60
  text "0,900mm (35,43mil)" at 3778.82,1678.5 h60
  text "PTH" at 4898.5,1678.5 h60
  text "Round" at 5404.37,1678.5 h60
  text "Top Layer - Bottom Layer" at 6138.18,1678.5 h60
  text "Pad" at 7637.73,1678.5 h60
  text "Rounded" at 8227.57,1678.5 h60
  text "c180h90(Tol13-8)" at 8973.37,1678.5 h60
  text "0,130mm (5,12mil)" at 10732.84,1678.5 h60
  text "0,080mm (3,15mil)" at 12066.45,1678.5 h60
  text "20" at 3198.98,1528.5 h60
  text "0,900mm (35,43mil)" at 3778.82,1528.5 h60
  text "PTH" at 4898.5,1528.5 h60
  text "Round" at 5404.37,1528.5 h60
  text "Top Layer - Bottom Layer" at 6138.18,1528.5 h60
  text "Pad" at 7637.73,1528.5 h60
  text "Rounded" at 8227.57,1528.5 h60
  text "c180h90" at 8973.37,1528.5 h60
  text "2" at 3198.98,1378.5 h60
  text "0,900mm (35,43mil)" at 3778.82,1378.5 h60
  text "PTH" at 4898.5,1378.5 h60
  text "Slot" at 5404.37,1378.5 h60
  text "Top Layer - Bottom Layer" at 6138.18,1378.5 h60
  text "Pad" at 7637.73,1378.5 h60
  text "Rounded" at 8227.57,1378.5 h60
  text "r160_200h90_140r100" at 8973.37,1378.5 h60
  text "3" at 3198.98,1228.5 h60
  text "0,914mm (36,00mil)" at 3778.82,1228.5 h60
  text "PTH" at 4898.5,1228.5 h60
  text "Round" at 5404.37,1228.5 h60
  text "Top Layer - Bottom Layer" at 6138.18,1228.5 h60
  text "Pad" at 7637.73,1228.5 h60
  text "Rounded" at 8227.57,1228.5 h60
  text "c152h91" at 8973.37,1228.5 h60
  text "6" at 3198.98,1078.5 h60
  text "1,100mm (43,31mil)" at 3778.82,1078.5 h60
  text "PTH" at 4898.5,1078.5 h60
  text "Round" at 5404.37,1078.5 h60
  text "Top Layer - Bottom Layer" at 6138.18,1078.5 h60
  text "Pad" at 7637.73,1078.5 h60
  text "Rounded" at 8227.57,1078.5 h60
  text "c180h110(Tol13-8)" at 8973.37,1078.5 h60
  text "0,130mm (5,12mil)" at 10732.84,1078.5 h60
  text "0,080mm (3,15mil)" at 12066.45,1078.5 h60
  text "5" at 3198.98,928.5 h60
  text "1,152mm (45,35mil)" at 3778.82,928.5 h60
  text "NPTH" at 4898.5,928.5 h60
  text "Round" at 5404.37,928.5 h60
  text "Top Layer - Bottom Layer" at 6138.18,928.5 h60
  text "Pad" at 7637.73,928.5 h60
  text "Rounded" at 8227.57,928.5 h60
  text "(Mixed)" at 8973.37,928.5 h60
  text "0,130mm (5,12mil)" at 10732.84,928.5 h60
  text "0,080mm (3,15mil)" at 12066.45,928.5 h60
  text "5" at 3198.98,778.5 h60
  text "1,200mm (47,24mil)" at 3778.82,778.5 h60
  text "PTH" at 4898.5,778.5 h60
  text "Round" at 5404.37,778.5 h60
  text "Top Layer - Bottom Layer" at 6138.18,778.5 h60
  text "Pad" at 7637.73,778.5 h60
  text "Rounded" at 8227.57,778.5 h60
  text "c250h120(Tol13-8)" at 8973.37,778.5 h60
  text "0,130mm (5,12mil)" at 10732.84,778.5 h60
  text "0,080mm (3,15mil)" at 12066.45,778.5 h60
  text "4" at 3198.98,628.5 h60
  text "1,800mm (70,87mil)" at 3778.82,628.5 h60
  text "PTH" at 4898.5,628.5 h60
  text "Slot" at 5404.37,628.5 h60
  text "Top Layer - Bottom Layer" at 6138.18,628.5 h60
  text "Pad" at 7637.73,628.5 h60
  text "Rounded" at 8227.57,628.5 h60
  text "r250_300h180_220r100(Tol13-8)" at 8973.37,628.5 h60
  text "0,130mm (5,12mil)" at 10732.84,628.5 h60
  text "0,080mm (3,15mil)" at 12066.45,628.5 h60
  text "141 Total" at 3198.98,478.5 h60
  text "Slot definitions :" at 2693.1,333.53 h60
  text "Routed Path Length" at 3725.79,333.53 h60
  text "= Calculated from tool start centre position to tool end centre position." at 4828.46,333.53 h60
  text "Hole Length" at 3725.79,233.56 h60
  text "= Routed Path Length + Tool Size = Slot length as defined in the PCB layout" at 4418.59,233.56 h60

## Dimensions
346.46,275.59 to 346.46,2618.11 on Drill Drawing
346.46,2893.7 to 2314.96,2893.7 on Drill Drawing